# KiCad board q2v2.kicad_pcb (continued)
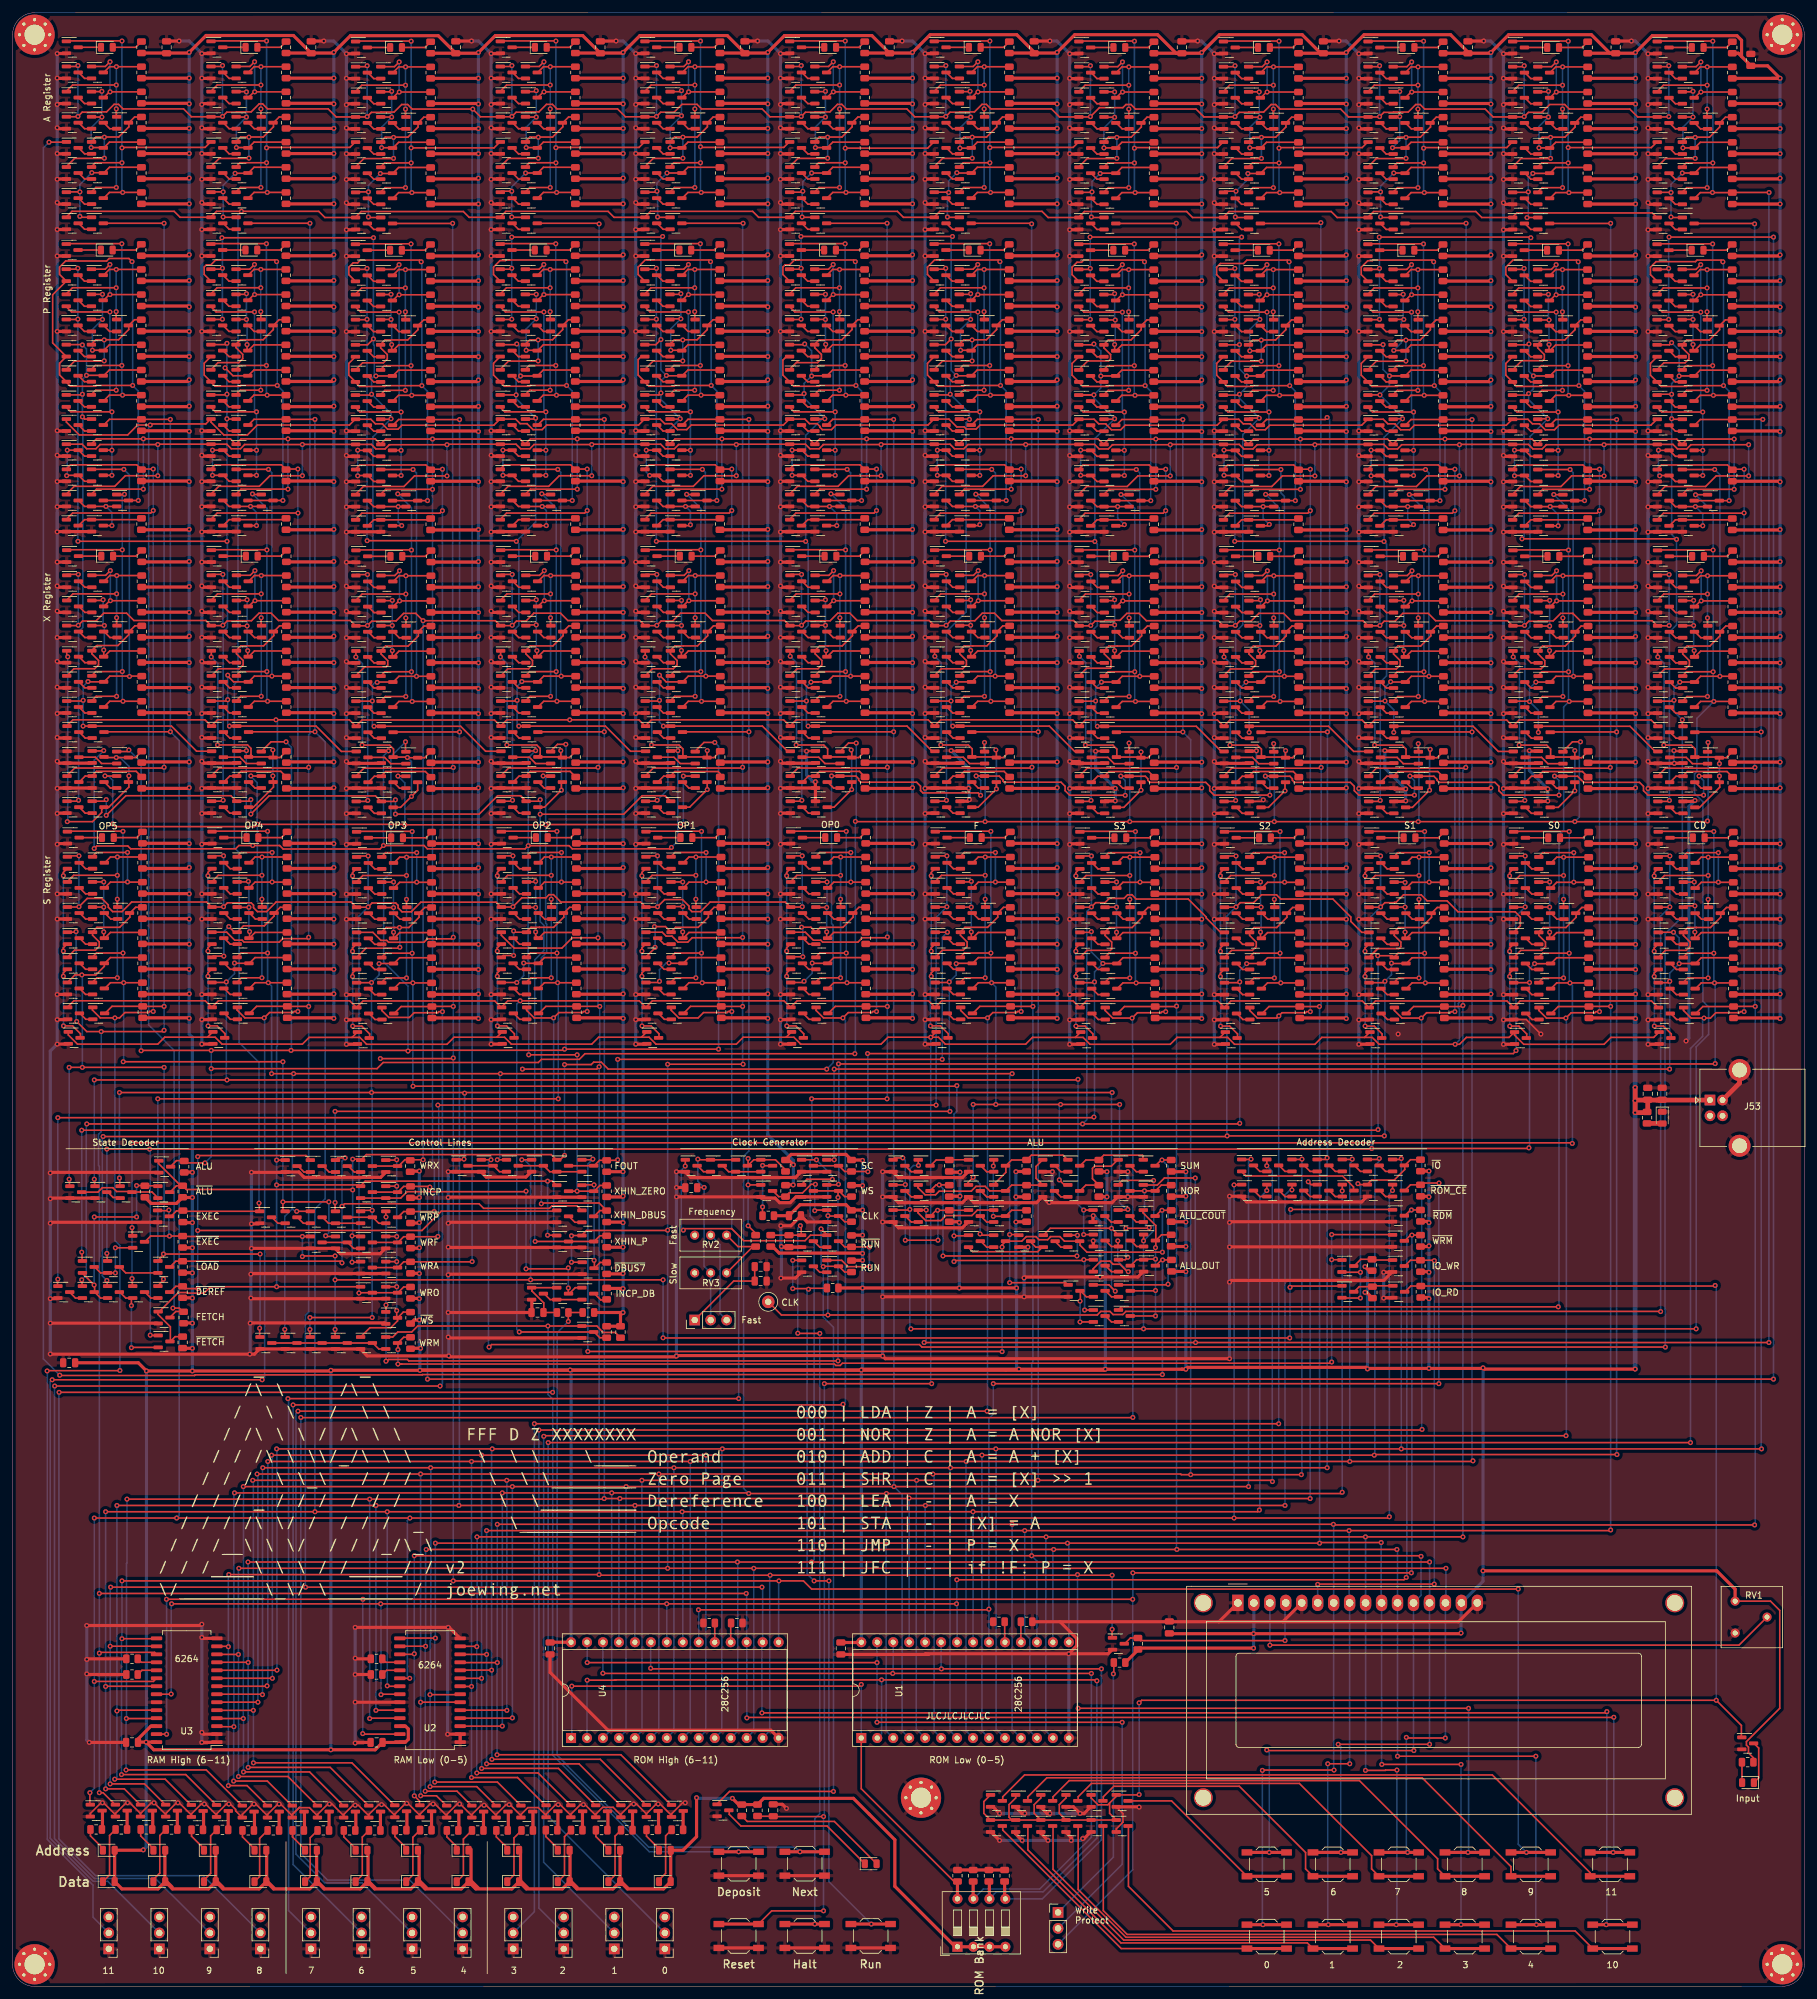
[diagram p0: board, top side]
## Routing (per net, layer and track width the routed paths; a pad name or vN(x,y) marks a point on that pad's centre or on a via; arc(x,y) is an arc through that point) (continued)
Net-(Q1006-Pad2): length 2.4
  Top w0.25: 240.53,256.24 241.48,255.29 242.53,255.29
Net-(Q1007-Pad2): length 2.4
  Top w0.25: 242.53,271.29 241.48,271.29 240.53,272.24
Net-(Q1008-Pad1): length 18.5
  Top w0.25: 244.66,261.97 243.31,261.97 242.53,261.19 ; 244.66,261.97 244.63,261.94 ; 244.66,261.97 246.9,261.97 248.53,263.59 248.53,264.24 249.44,265.15 R420.2 ; Q1008.1 240.07,258.67 243.38,258.67 243.66,258.94 243.66,259.64 242.59,260.71 Q1013.1
Net-(Q1010-Pad2): length 2.4
  Top w0.25: 246.53,263.29 245.48,263.29 244.53,264.24
Net-(Q1011-Pad2): length 2.4
  Top w0.25: 240.53,264.24 241.48,263.29 242.53,263.29
Net-(Q1013-Pad2): length 2.4
  Top w0.25: 240.53,260.24 241.48,259.29 242.53,259.29
Net-(Q1015-Pad2): length 2.4
  Top w0.25: 201.45,126.63 202.4,125.68 203.45,125.68
Net-(Q1015-Pad3): length 2.4
  Top w0.25: 207.45,125.68 206.4,125.68 205.45,126.63
Net-(Q1016-Pad2): length 2.4
  Top w0.25: 197.45,126.63 198.4,125.68 199.45,125.68
Net-(Q1017-Pad1): length 39.6
  Top w0.25: R426.2 v1(246.72,179.67) 245.62,179.67 244.71,178.76 ; v1(246.71,172.96) 246.71,171.71 ; 242.71,159.71 243.46,160.46 v1(246.71,160.46) ; v1(246.71,176.76) 239.76,176.76 238.71,175.71
  Bottom w0.25: v1(246.71,160.46) v1(246.71,172.96) v1(246.71,176.76) 246.71,179.66 v1(246.72,179.67)
Net-(Q1017-Pad2): length 2.4
  Top w0.25: 242.71,157.81 241.66,157.81 240.71,158.76
Net-(Q1018-Pad1): length 18.6
  Top w0.25: R428.2 245.62,167.67 244.71,166.76 ; v1(244.5,171.73) 242.79,171.73 ; v1(244.5,175.73) 244.48,175.71 Q1018.1 ; v1(244.5,167.73) 244.5,166.9
  Bottom w0.25: v1(244.5,175.73) v1(244.5,171.73) v1(244.5,167.73)
Net-(Q1018-Pad2): length 2.4
  Top w0.25: 240.71,174.76 241.66,173.81 242.71,173.81
Net-(Q1018-Pad3): length 17.1
  Top w0.25: R423.2 248.32,175.67 ; 248.32,175.67 248.32,175.68 v1(248.34,175.7) 248.31,175.7 248.28,175.67 ; 248.32,175.67 248.28,175.67 ; v1(248.34,180.39) 243.4,180.39 242.71,179.71 ; 248.28,175.67 245.62,175.67 244.71,174.76
  Bottom w0.25: v1(248.34,175.7) v1(248.34,180.39)
Net-(Q1022-Pad2): length 2.4
  Top w0.25: 242.71,161.81 241.66,161.81 240.71,162.76
Net-(Q1023-Pad2): length 2.4
  Top w0.25: 240.71,178.76 241.66,177.81 242.71,177.81
Net-(Q1024-Pad1): length 18.5
  Top w0.25: 242.71,167.71 243.49,168.48 247.09,168.48 248.71,170.11 248.71,170.76 249.62,171.67 R427.2 ; Q1024.1 239.91,164.84 243.22,164.84 243.84,165.46 243.84,166.16 242.77,167.22 Q1029.1
Net-(Q1026-Pad2): length 2.4
  Top w0.25: 246.71,169.81 245.66,169.81 244.71,170.76
Net-(Q1027-Pad2): length 2.4
  Top w0.25: 242.71,169.81 241.66,169.81 240.71,170.76
Net-(Q1029-Pad2): length 2.4
  Top w0.25: 240.71,166.76 241.66,165.81 242.71,165.81
Net-(Q1031-Pad2): length 2.4
  Top w0.25: 265.75,153.85 264.7,153.85 263.75,154.8
Net-(Q1033-Pad2): length 2.4
  Top w0.25: 263.55,280.5 264.5,279.55 265.55,279.55
Net-(Q1035-Pad1): length 39.6
  Top w0.25: 265.55,285.45 266.3,286.2 v1(269.55,286.2) ; v1(269.55,298.7) 269.55,297.45 ; R435.2 v1(269.56,305.41) 268.46,305.41 267.55,304.5 ; v1(269.55,302.5) 262.6,302.5 261.55,301.45
  Bottom w0.25: v1(269.55,286.2) v1(269.55,298.7) v1(269.55,302.5) 269.55,305.4 v1(269.56,305.41)
Net-(Q1035-Pad2): length 2.4
  Top w0.25: 265.55,283.55 264.5,283.55 263.55,284.5
Net-(Q1036-Pad1): length 21.2
  Top w0.25: R437.2 268.46,293.41 267.55,292.5 ; v1(267.3,301.53) 267.22,301.45 Q1036.1 ; v1(265.7,292.53) 267.46,292.53 ; v1(267.3,297.43) 265.63,297.43
  Bottom w0.25: v1(267.3,301.53) v1(267.3,297.43) 265.7,295.83 v1(265.7,292.53)
Net-(Q1036-Pad2): length 2.4
  Top w0.25: 265.55,299.55 264.5,299.55 263.55,300.5
Net-(Q1036-Pad3): length 14.5
  Top w0.25: 265.55,305.45 267.8,305.45 v1(268.55,306.2) ; R432.2 v1(268.56,301.41) 268.46,301.41 267.55,300.5
  Bottom w0.25: v1(268.55,306.2) 268.55,301.42 v1(268.56,301.41)
Net-(Q1040-Pad2): length 2.4
  Top w0.25: 265.55,287.55 264.5,287.55 263.55,288.5
Net-(Q1041-Pad2): length 2.4
  Top w0.25: 265.55,303.55 264.5,303.55 263.55,304.5
Net-(Q1042-Pad1): length 20.1
  Top w0.25: 261.55,289.45 262.92,290.82 267.61,290.82 v1(267.65,290.86) ; 267.68,294.22 v1(267.65,294.2) ; 267.68,294.22 269.93,294.22 271.55,295.85 271.55,296.5 272.46,297.41 R436.2 ; 267.68,294.22 266.33,294.22 265.55,293.45
  Bottom w0.25: v1(267.65,294.2) v1(267.65,290.86)
Net-(Q1044-Pad2): length 2.4
  Top w0.25: 269.55,295.55 268.5,295.55 267.55,296.5
Net-(Q1045-Pad2): length 2.4
  Top w0.25: 265.55,295.55 264.5,295.55 263.55,296.5
Net-(Q1047-Pad2): length 2.4
  Top w0.25: 263.55,292.5 264.5,291.55 265.55,291.55
Net-(Q1049-Pad2): length 2.3
  Top w0.25: 269.55,190.65 268.6,190.65 267.65,191.6
Net-(Q1050-Pad2): length 2.4
  Top w0.25: 263.65,199.55 264.6,198.6 265.65,198.6
Net-(Q1051-Pad2): length 2.4
  Top w0.25: 265.65,186.65 264.6,186.65 263.65,187.6
Net-(Q1052-Pad2): length 6.4
  Top w0.25: 263.65,195.55 266.22,195.55 267.22,194.55 ; 267.19,194.55 269.55,194.55
Net-(Q1054-Pad1): length 11
  Top w0.25: R439.2 272.71,193.29 266.4,193.29 265.65,192.55 264.6,192.55 263.65,191.6
Net-(Q1059-Pad1): length 39.6
  Top w0.25: R444.2 v1(269.61,224.45) 268.51,224.45 267.6,223.54 ; v1(269.6,217.74) 269.6,216.49 ; v1(269.6,205.24) 266.35,205.24 265.6,204.49 ; 261.6,220.49 262.65,221.54 v1(269.6,221.54)
  Bottom w0.25: v1(269.61,224.45) 269.6,224.44 v1(269.6,221.54) v1(269.6,217.74) v1(269.6,205.24)
Net-(Q1059-Pad2): length 2.4
  Top w0.25: 265.6,202.59 264.55,202.59 263.6,203.54
Net-(Q1060-Pad1): length 18.8
  Top w0.25: 267.6,211.54 268.51,212.45 R446.2 ; v1(267.4,220.53) 267.36,220.49 Q1060.1 ; v1(267.48,212.54) 267.48,211.59 ; v1(267.4,216.53) 265.7,216.53
  Bottom w0.25: v1(267.4,220.53) v1(267.4,216.53) 267.4,212.62 v1(267.48,212.54)
Net-(Q1060-Pad2): length 2.4
  Top w0.25: 265.6,218.59 264.55,218.59 263.6,219.54
Net-(Q1060-Pad3): length 14.5
  Top w0.25: v1(268.6,225.24) 267.85,224.49 265.6,224.49 ; 267.6,219.54 268.51,220.45 v1(268.61,220.45) R441.2
  Bottom w0.25: v1(268.61,220.45) 268.6,220.46 v1(268.6,225.24)
Net-(Q1064-Pad2): length 2.4
  Top w0.25: 263.6,207.54 264.55,206.59 265.6,206.59
Net-(Q1065-Pad2): length 2.4
  Top w0.25: 263.6,223.54 264.55,222.59 265.6,222.59
Net-(Q1066-Pad1): length 18.5
  Top w0.25: 267.73,213.26 266.38,213.26 265.6,212.49 ; 267.73,213.26 267.7,213.24 ; 267.73,213.26 269.98,213.26 271.6,214.89 271.6,215.54 272.51,216.45 R445.2 ; Q1071.1 265.66,211.99 266.73,210.93 266.73,210.24 266.11,209.62 262.8,209.62 Q1066.1
Net-(Q1068-Pad2): length 2.4
  Top w0.25: 269.6,214.59 268.55,214.59 267.6,215.54
Net-(Q1069-Pad2): length 2.4
  Top w0.25: 265.6,214.59 264.55,214.59 263.6,215.54
Net-(Q1071-Pad2): length 2.4
  Top w0.25: 265.6,210.59 264.55,210.59 263.6,211.54
Net-(Q1073-Pad2): length 2.4
  Top w0.25: 265.55,247.45 264.5,247.45 263.55,248.4
Net-(Q1075-Pad2): length 12.2
  Top w0.25: 263.55,244.4 264.5,243.45 265.55,243.45 ; 263.55,240.4 264.5,239.45 265.55,239.45 ; Q1079.3 261.83,244.4 v1(261.8,244.43) ; v1(262,240.35) 262.05,240.4 Q1080.3
  Bottom w0.25: v1(262,240.35) 261.8,240.55 v1(261.8,244.43)
Net-(Q1077-Pad2): length 11.2
  Top w0.25: 263.55,236.4 264.5,235.45 v1(267.68,235.45) 269.55,235.45 ; 267.55,232.4 v1(268.85,232.4)
  Bottom w0.25: v1(268.85,232.4) 268.85,234.28 v1(267.68,235.45)
Net-(Q1082-Pad1): length 10.2
  Top w0.25: 263.55,232.4 264.5,233.35 273.34,233.35
Net-(Q1084-Pad1): length 39.6
  Top w0.25: 267.53,272.24 268.44,273.15 v1(269.54,273.15) R453.2 ; 261.53,269.19 262.58,270.24 v1(269.53,270.24) ; v1(269.53,266.44) 269.53,265.19 ; 265.53,253.19 266.28,253.94 v1(269.53,253.94)
  Bottom w0.25: v1(269.53,253.94) v1(269.53,266.44) v1(269.53,270.24) 269.53,273.14 v1(269.54,273.15)
Net-(Q1084-Pad2): length 2.4
  Top w0.25: 265.53,251.29 264.48,251.29 263.53,252.24
Net-(Q1085-Pad1): length 18.6
  Top w0.25: 267.53,260.24 268.44,261.15 R455.2 ; v1(267.3,265.23) 265.63,265.23 ; v1(267.3,269.23) 267.26,269.19 Q1085.1 ; v1(267.3,261.24) 267.3,260.41
  Bottom w0.25: v1(267.3,269.23) v1(267.3,265.23) v1(267.3,261.24)
Net-(Q1085-Pad2): length 2.4
  Top w0.25: 265.53,267.29 264.48,267.29 263.53,268.24
Net-(Q1085-Pad3): length 14.5
  Top w0.25: 267.53,268.24 268.44,269.15 v1(268.54,269.15) R450.2 ; v1(268.53,273.94) 267.78,273.19 265.53,273.19
  Bottom w0.25: v1(268.53,273.94) 268.53,269.17 v1(268.54,269.15)
Net-(Q1089-Pad2): length 2.4
  Top w0.25: 263.53,256.24 264.48,255.29 265.53,255.29
Net-(Q1090-Pad2): length 2.4
  Top w0.25: 265.53,271.29 264.48,271.29 263.53,272.24
Net-(Q1091-Pad1): length 18.5
  Top w0.25: 265.53,261.19 266.31,261.97 269.9,261.97 271.53,263.59 271.53,264.24 272.44,265.15 R454.2 ; Q1096.1 265.59,260.71 266.66,259.64 266.66,258.94 266.04,258.33 262.67,258.33 261.59,257.25
Net-(Q1093-Pad2): length 2.4
  Top w0.25: 269.53,263.29 268.48,263.29 267.53,264.24
Net-(Q1094-Pad2): length 2.4
  Top w0.25: 263.53,264.24 264.48,263.29 265.53,263.29
Net-(Q1096-Pad2): length 2.4
  Top w0.25: 265.53,259.29 264.48,259.29 263.53,260.24
Net-(Q1098-Pad2): length 2.4
  Top w0.25: 219.45,125.68 218.4,125.68 217.45,126.63
Net-(Q1100-Pad1): length 39.6
  Top w0.25: R460.2 v1(269.72,179.67) 268.62,179.67 267.71,178.76 ; v1(269.71,172.96) 269.71,171.71 ; 261.71,175.71 262.76,176.76 v1(269.71,176.76) ; 265.71,159.71 266.46,160.46 v1(269.71,160.46)
  Bottom w0.25: v1(269.72,179.67) 269.71,179.66 v1(269.71,176.76) v1(269.71,172.96) v1(269.71,160.46)
Net-(Q1100-Pad2): length 2.4
  Top w0.25: 265.71,157.81 264.66,157.81 263.71,158.76
Net-(Q1101-Pad1): length 19
  Top w0.25: 267.71,166.76 268.62,167.67 R462.2 ; Q1101.1 267.48,175.71 v1(267.5,175.73) ; v1(267.6,171.93) 265.99,171.93 Q1110.1 ; v1(267.59,167.76) 267.59,166.81
  Bottom w0.25: v1(267.5,175.73) 267.5,172.03 v1(267.6,171.93) 267.6,167.76 v1(267.59,167.76)
Net-(Q1101-Pad2): length 2.4
  Top w0.25: 263.71,174.76 264.66,173.81 265.71,173.81
Net-(Q1101-Pad3): length 17.1
  Top w0.25: R457.2 271.32,175.67 ; 271.32,175.67 271.32,175.68 v1(271.34,175.7) 271.31,175.7 271.28,175.67 ; 271.32,175.67 271.28,175.67 ; 267.71,174.76 268.62,175.67 271.28,175.67 ; v1(271.34,180.39) 266.4,180.39 265.71,179.71
  Bottom w0.25: v1(271.34,175.7) v1(271.34,180.39)
Net-(Q1105-Pad2): length 2.4
  Top w0.25: 263.71,162.76 264.66,161.81 265.71,161.81
Net-(Q1106-Pad2): length 2.4
  Top w0.25: 265.71,177.81 264.66,177.81 263.71,178.76
Net-(Q1107-Pad1): length 18.5
  Top w0.25: 267.84,168.48 270.09,168.48 271.71,170.11 271.71,170.76 272.62,171.67 R461.2 ; 267.84,168.48 266.49,168.48 265.71,167.71 ; 267.84,168.48 267.81,168.46 ; Q1112.1 265.77,167.22 266.84,166.16 266.84,165.46 266.22,164.84 262.91,164.84 Q1107.1
Net-(Q1109-Pad2): length 2.4
  Top w0.25: 267.71,170.76 268.66,169.81 269.71,169.81
Net-(Q1110-Pad2): length 2.4
  Top w0.25: 265.71,169.81 264.66,169.81 263.71,170.76
Net-(Q1112-Pad2): length 2.4
  Top w0.25: 263.71,166.76 264.66,165.81 265.71,165.81
Net-(Q1117-Pad3): length 108.8
  Top w0.25: SW1.2 250.95,18.08 235.38,33.65 160.97,33.65 157.5,30.18 157.5,29.53
  Top w0.5: SW1.2 SW1.2
Net-(Q1118-Pad3): length 6.4
  Top w0.25: 219.45,115.58 216.36,115.58 ; 213.4,114.63 214.46,115.69 R465.2
Net-(Q1119-Pad3): length 2.9
  Top w0.5: 14.3,27.98 14.3,25.06
Net-(Q1120-Pad3): length 2.9
  Top w0.5: R468.2 18.21,27.89
Net-(Q1121-Pad3): length 2.9
  Top w0.5: 22.29,27.97 22.29,25.06
Net-(Q1122-Pad3): length 2.9
  Top w0.5: R475.2 26.2,27.88
Net-(Q1124-Pad3): length 2.9
  Top w0.5: 30.38,27.92 30.38,25.01
Net-(Q1125-Pad3): length 2.9
  Top w0.5: R480.2 34.29,27.83
Net-(Q1128-Pad3): length 2.9
  Top w0.5: 38.48,27.82 38.48,24.91
Net-(Q1129-Pad3): length 2.9
  Top w0.5: R483.2 42.39,27.73
Net-(Q1130-Pad3): length 2.9
  Top w0.5: 46.43,27.82 46.43,24.91
Net-(Q1131-Pad3): length 2.9
  Top w0.5: R485.2 50.34,27.73
Net-(Q1132-Pad3): length 2.9
  Top w0.5: 54.6,27.82 54.6,24.91
Net-(Q1133-Pad3): length 2.9
  Top w0.5: R487.2 58.51,27.73
Net-(Q1134-Pad3): length 2.9
  Top w0.5: 62.73,27.87 62.73,24.96
Net-(Q1135-Pad3): length 2.9
  Top w0.5: R489.2 66.64,27.78
Net-(Q1136-Pad3): length 2.9
  Top w0.5: 70.99,27.82 70.99,24.91
Net-(Q1137-Pad3): length 2.9
  Top w0.5: R491.2 74.9,27.73
Net-(Q1138-Pad3): length 2.9
  Top w0.5: 78.86,27.82 78.86,24.91
Net-(Q1139-Pad3): length 2.9
  Top w0.5: R493.2 82.77,27.73
Net-(Q1140-Pad3): length 2.9
  Top w0.5: 86.74,27.87 86.74,24.96
Net-(Q1141-Pad3): length 2.9
  Top w0.5: R495.2 90.65,27.78
Net-(Q1142-Pad3): length 2.9
  Top w0.5: 94.7,27.87 94.7,24.96
Net-(Q1143-Pad3): length 2.9
  Top w0.5: R497.2 98.61,27.78
Net-(Q1144-Pad3): length 2.9
  Top w0.5: 102.75,27.92 102.75,25.01
Net-(Q1145-Pad3): length 2.9
  Top w0.5: R499.2 106.66,27.83
Net-(Q1146-Pad3): length 93.9
  Top w0.25: 177.5,25.53 177.5,15.93 184.6,8.83 248.55,8.83 SW10.2
  Top w0.5: SW10.2 SW10.2
Net-(Q1147-Pad3): length 92.4
  Top w0.25: 161.5,29.53 161.5,30.18 164.52,33.2 224.21,33.2 238.35,19.06 SW11.2
  Top w0.5: SW11.2 SW11.2
Net-(Q1148-Pad3): length 77.6
  Top w0.25: SW14.2 226.67,18.7 226.67,20.31 214.24,32.75 168.07,32.75 165.5,30.18 165.5,29.53
  Top w0.5: SW14.2 SW14.2
Net-(Q1149-Pad3): length 63
  Top w0.25: SW15.2 216.17,18.7 216.17,20.81 204.69,32.3 171.62,32.3 169.5,30.18 169.5,29.53
  Top w0.5: SW15.2 SW15.2
Net-(Q1150-Pad3): length 48.5
  Top w0.25: 173.5,29.53 173.5,30.18 175.17,31.85 195.14,31.85 205.67,21.31 205.67,18.7 SW25.2
  Top w0.5: SW25.2 SW25.2
Net-(Q1151-Pad3): length 30.1
  Top w0.25: 177.5,29.53 184.35,29.53 SW26.2
  Top w0.5: SW26.2 SW26.2
Net-(Q1152-Pad3): length 87.1
  Top w0.25: SW27.2 236.1,8.28 177.29,8.28 173.5,12.06 173.5,25.53
  Top w0.5: SW27.2 SW27.2
Net-(Q1153-Pad3): length 78.6
  Top w0.25: SW28.2 226.05,7.83 177.1,7.83 169.5,15.43 169.5,25.53
  Top w0.5: SW28.2 SW28.2
Net-(Q1154-Pad3): length 70.3
  Top w0.25: 165.5,25.53 165.5,18.63 176.75,7.38 216,7.38 SW29.2
  Top w0.5: SW29.2 SW29.2
Net-(Q1155-Pad3): length 62
  Top w0.25: SW30.2 205.95,6.93 176.3,6.93 161.5,21.73 161.5,25.53
  Top w0.5: SW30.2 SW30.2
Net-(Q1156-Pad3): length 53.6
  Top w0.25: SW31.2 176.35,6.03 157.5,24.88 157.5,25.53
  Top w0.5: SW31.2 SW31.2
Net-(R1-Pad1): length 3.1
  Top w0.25: U2.19 59.49,50.3 R1.1
Net-(R93-Pad1): length 11.3
  Top w0.25: 117.77,117.71 RV3.3 ; R93.1 115.39,117.71 RV2.3
Net-(R464-Pad1): length 3
  Top w0.25: U2.18 59.37,51.57 R464.1
Net-(R467-Pad1): length 3.3
  Top w0.25: R467.1 20.59,50.3 U3.19
Net-(R469-Pad1): length 3.2
  Top w0.25: R469.1 20.47,51.57 U3.18
Net-(R501-Pad1): length 3.2
  Top w0.25: R501.1 160.39,54.78
Net-(R502-Pad1): length 3.2
  Top w0.25: R502.1 157.81,54.81
Net-(R503-Pad1): length 3
  Top w0.25: U4.18 114.23,57.77
Net-(R504-Pad1): length 3
  Top w0.25: U4.19 111.69,57.81
Net-(R505-Pad1): length 43.4
  Top w0.25: v1(175.1,49.73) 175.18,49.8 R505.1
  Bottom w0.25: SW32.1 175.1,20.58 v1(175.1,49.73)
Net-(RV2-Pad2): length 14.6
  Bottom w0.25: SW24.3 112.53,107.07 112.53,118.03 RV2.2

## Copper pours and planes (outline as drawn; the poured copper is in the pictures)
GND on Top: 287,-0.97 -2,-1.47 -1.5,314.53 287,317.03
GND on Bottom: 287,-0.97 -2,-1.47 -1.5,314.53 288,315.53

## Text on the board
F.Silkscreen: Write / Protect | OP5 | 11 | State Decoder | 10 | RAM High (6-11) | ALU | ~{ALU} | ~{LOAD} | EXEC | ~{EXEC} | 9 | FETCH | ~{FETCH} | ~{DEREF} | OP4 | 8 | 7 | 6 | OP3 | 5 | ~{WS} | WRX | ~{WRP} | WRF | WRA | WRO | WRM | INCP | RAM Low (0-5) | Control Lines | 4 | 3 | OP2 | 2 | 1 | FOUT | ~{DBUS7} | XHIN_P | INCP_DB | XHIN_ZERO | XHIN_DBUS | 0 | ROM High (6-11) | OP1 | Frequency | Fast | Clock Generator | OP0 | SC | WS | CLK | ~{RUN} | RUN | JLCJLCJLCJLC | ROM Low (0-5) | F | S3 | SUM | NOR | ALU_OUT | ~{ALU_COUT} | S2 | Address Decoder | S1 | ~{IO} | ~{RDM} | ~{WRM} | IO_RD | IO_WR | ~{ROM_CE} | S0 | CD | Input | A Register | P Register | X Register | S Register | Slow | Address | Data
